# Altium PCB PCB4.PcbDoc (part 4 of 12) (continued)
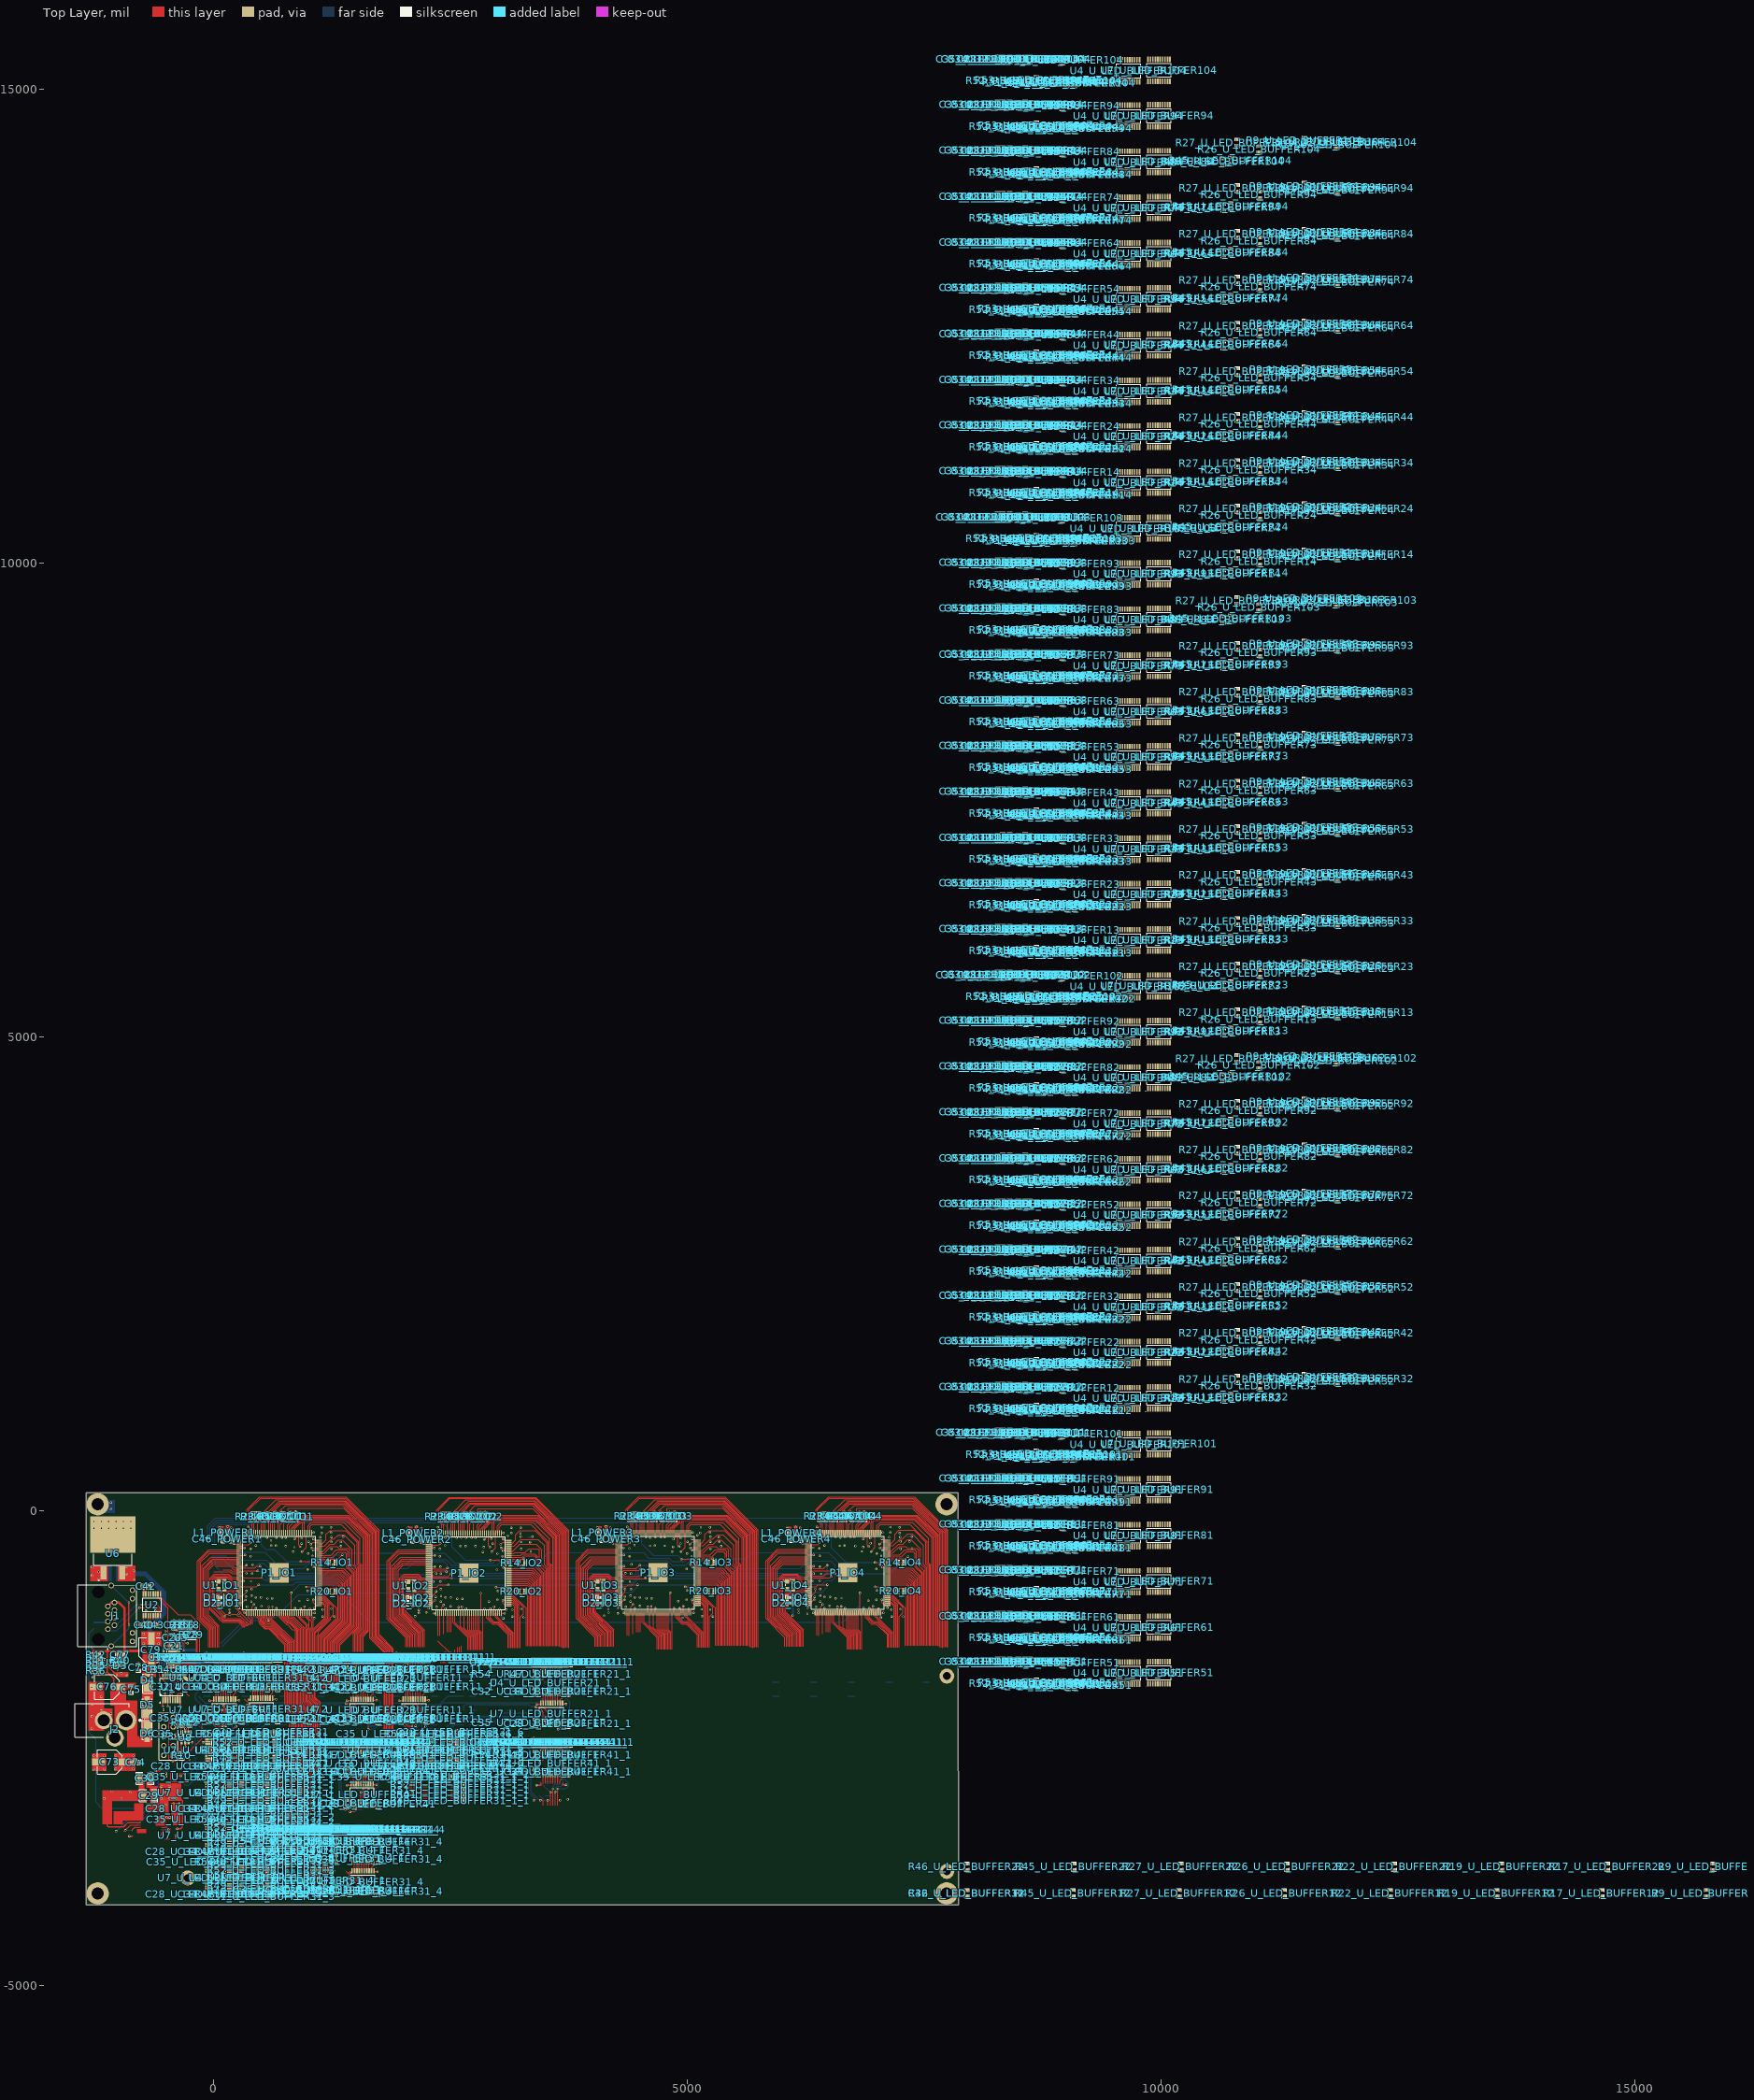
[diagram p0: Top Layer view]
## Components (designator, comment, footprint, x,y, rotation, side; value= is the part's Value field where it differs from the comment) (continued)
R50_U_LED_BUFFER31_3 "33R" 0603R 610,-3897.78 r180 top (schematic designator R50)
R50_U_LED_BUFFER31_4 "33R" 0603R 1607.78,-3360 r270 top (schematic designator R50)
R50_U_LED_BUFFER31_4_1 "33R" 0603R 1147.78,-3350 r270 top (schematic designator R50)
R50_U_LED_BUFFER31_4_2 "33R" 0603R 537.78,-1540 r270 top (schematic designator R50)
R50_U_LED_BUFFER31_6 "33R" 0603R 2610,-2547.78 r180 top (schematic designator R50)
R50_U_LED_BUFFER32 "33R" 0603R 8876.74,2044.31 r90 top (schematic designator R50)
R50_U_LED_BUFFER33 "33R" 0603R 8876.74,6875.01 r90 top (schematic designator R50)
R50_U_LED_BUFFER34 "33R" 0603R 8876.74,11705.71 r90 top (schematic designator R50)
R50_U_LED_BUFFER41 "33R" 0603R 1597.78,-2440 r270 top (schematic designator R50)
R50_U_LED_BUFFER41_1 "33R" 0603R 3597.78,-2440 r270 top (schematic designator R50)
R50_U_LED_BUFFER42 "33R" 0603R 8876.74,2528.56 r90 top (schematic designator R50)
R50_U_LED_BUFFER43 "33R" 0603R 8876.74,7359.26 r90 top (schematic designator R50)
R50_U_LED_BUFFER44 "33R" 0603R 8876.74,12189.96 r90 top (schematic designator R50)
R50_U_LED_BUFFER51 "33R" 0603R 8876.74,-1817.89 r90 top (schematic designator R50)
R50_U_LED_BUFFER52 "33R" 0603R 8876.74,3012.81 r90 top (schematic designator R50)
R50_U_LED_BUFFER53 "33R" 0603R 8876.74,7843.51 r90 top (schematic designator R50)
R50_U_LED_BUFFER54 "33R" 0603R 8876.74,12674.21 r90 top (schematic designator R50)
R50_U_LED_BUFFER61 "33R" 0603R 8876.74,-1337.57 r90 top (schematic designator R50)
R50_U_LED_BUFFER62 "33R" 0603R 8876.74,3493.12 r90 top (schematic designator R50)
R50_U_LED_BUFFER63 "33R" 0603R 8876.74,8323.82 r90 top (schematic designator R50)
R50_U_LED_BUFFER64 "33R" 0603R 8876.74,13154.52 r90 top (schematic designator R50)
R50_U_LED_BUFFER71 "33R" 0603R 8876.74,-853.32 r90 top (schematic designator R50)
R50_U_LED_BUFFER72 "33R" 0603R 8876.74,3977.38 r90 top (schematic designator R50)
R50_U_LED_BUFFER73 "33R" 0603R 8876.74,8808.07 r90 top (schematic designator R50)
R50_U_LED_BUFFER74 "33R" 0603R 8876.74,13638.77 r90 top (schematic designator R50)
R50_U_LED_BUFFER81 "33R" 0603R 8876.74,-369.07 r90 top (schematic designator R50)
R50_U_LED_BUFFER82 "33R" 0603R 8876.74,4461.63 r90 top (schematic designator R50)
R50_U_LED_BUFFER83 "33R" 0603R 8876.74,9292.32 r90 top (schematic designator R50)
R50_U_LED_BUFFER84 "33R" 0603R 8876.74,14123.02 r90 top (schematic designator R50)
R50_U_LED_BUFFER91 "33R" 0603R 8876.74,115.18 r90 top (schematic designator R50)
R50_U_LED_BUFFER92 "33R" 0603R 8876.74,4945.88 r90 top (schematic designator R50)
R50_U_LED_BUFFER93 "33R" 0603R 8876.74,9776.58 r90 top (schematic designator R50)
R50_U_LED_BUFFER94 "33R" 0603R 8876.74,14607.27 r90 top (schematic designator R50)
R50_U_LED_BUFFER101 "33R" 0603R 8876.74,595.49 r90 top (schematic designator R50)
R50_U_LED_BUFFER102 "33R" 0603R 8876.74,5426.19 r90 top (schematic designator R50)
R50_U_LED_BUFFER103 "33R" 0603R 8876.74,10256.89 r90 top (schematic designator R50)
R50_U_LED_BUFFER104 "33R" 0603R 8876.74,15087.59 r90 top (schematic designator R50)
R51_U_LED_BUFFER11 "33R" 0603R 92.22,-1540 r270 top (schematic designator R51)
R51_U_LED_BUFFER11_1 "33R" 0603R 2092.22,-1540 r270 top (schematic designator R51)
R51_U_LED_BUFFER12 "33R" 0603R 8766.74,1069.74 r90 top (schematic designator R51)
R51_U_LED_BUFFER13 "33R" 0603R 8766.74,5900.44 r90 top (schematic designator R51)
R51_U_LED_BUFFER14 "33R" 0603R 8766.74,10731.14 r90 top (schematic designator R51)
R51_U_LED_BUFFER21 "33R" 0603R 1542.22,-1550 r270 top (schematic designator R51)
R51_U_LED_BUFFER21_1 "33R" 0603R 3542.22,-1590 r270 top (schematic designator R51)
R51_U_LED_BUFFER22 "33R" 0603R 8766.74,1553.99 r90 top (schematic designator R51)
R51_U_LED_BUFFER23 "33R" 0603R 8766.74,6384.69 r90 top (schematic designator R51)
R51_U_LED_BUFFER24 "33R" 0603R 8766.74,11215.39 r90 top (schematic designator R51)
R51_U_LED_BUFFER31 "33R" 0603R 610,-2492.22 r180 top (schematic designator R51)
R51_U_LED_BUFFER31_1 "33R" 0603R 610,-2942.22 r180 top (schematic designator R51)
R51_U_LED_BUFFER31_1_1 "33R" 0603R 2610,-2942.22 r180 top (schematic designator R51)
R51_U_LED_BUFFER31_2 "33R" 0603R 610,-3392.22 r180 top (schematic designator R51)
R51_U_LED_BUFFER31_3 "33R" 0603R 610,-3842.22 r180 top (schematic designator R51)
R51_U_LED_BUFFER31_4 "33R" 0603R 1552.22,-3360 r270 top (schematic designator R51)
R51_U_LED_BUFFER31_4_1 "33R" 0603R 1092.22,-3350 r270 top (schematic designator R51)
R51_U_LED_BUFFER31_4_2 "33R" 0603R 482.22,-1540 r270 top (schematic designator R51)
R51_U_LED_BUFFER31_6 "33R" 0603R 2610,-2492.22 r180 top (schematic designator R51)
R51_U_LED_BUFFER32 "33R" 0603R 8766.74,2034.31 r90 top (schematic designator R51)
R51_U_LED_BUFFER33 "33R" 0603R 8766.74,6865.01 r90 top (schematic designator R51)
R51_U_LED_BUFFER34 "33R" 0603R 8766.74,11695.71 r90 top (schematic designator R51)
R51_U_LED_BUFFER41 "33R" 0603R 1542.22,-2440 r270 top (schematic designator R51)
R51_U_LED_BUFFER41_1 "33R" 0603R 3542.22,-2440 r270 top (schematic designator R51)
R51_U_LED_BUFFER42 "33R" 0603R 8766.74,2518.56 r90 top (schematic designator R51)
R51_U_LED_BUFFER43 "33R" 0603R 8766.74,7349.26 r90 top (schematic designator R51)
R51_U_LED_BUFFER44 "33R" 0603R 8766.74,12179.96 r90 top (schematic designator R51)
R51_U_LED_BUFFER51 "33R" 0603R 8766.74,-1827.89 r90 top (schematic designator R51)
R51_U_LED_BUFFER52 "33R" 0603R 8766.74,3002.81 r90 top (schematic designator R51)
R51_U_LED_BUFFER53 "33R" 0603R 8766.74,7833.51 r90 top (schematic designator R51)
R51_U_LED_BUFFER54 "33R" 0603R 8766.74,12664.21 r90 top (schematic designator R51)
R51_U_LED_BUFFER61 "33R" 0603R 8766.74,-1347.57 r90 top (schematic designator R51)
R51_U_LED_BUFFER62 "33R" 0603R 8766.74,3483.12 r90 top (schematic designator R51)
R51_U_LED_BUFFER63 "33R" 0603R 8766.74,8313.82 r90 top (schematic designator R51)
R51_U_LED_BUFFER64 "33R" 0603R 8766.74,13144.52 r90 top (schematic designator R51)
R51_U_LED_BUFFER71 "33R" 0603R 8766.74,-863.32 r90 top (schematic designator R51)
R51_U_LED_BUFFER72 "33R" 0603R 8766.74,3967.38 r90 top (schematic designator R51)
R51_U_LED_BUFFER73 "33R" 0603R 8766.74,8798.07 r90 top (schematic designator R51)
R51_U_LED_BUFFER74 "33R" 0603R 8766.74,13628.77 r90 top (schematic designator R51)
R51_U_LED_BUFFER81 "33R" 0603R 8766.74,-379.07 r90 top (schematic designator R51)
R51_U_LED_BUFFER82 "33R" 0603R 8766.74,4451.63 r90 top (schematic designator R51)
R51_U_LED_BUFFER83 "33R" 0603R 8766.74,9282.32 r90 top (schematic designator R51)
R51_U_LED_BUFFER84 "33R" 0603R 8766.74,14113.02 r90 top (schematic designator R51)
R51_U_LED_BUFFER91 "33R" 0603R 8766.74,105.18 r90 top (schematic designator R51)
R51_U_LED_BUFFER92 "33R" 0603R 8766.74,4935.88 r90 top (schematic designator R51)
R51_U_LED_BUFFER93 "33R" 0603R 8766.74,9766.58 r90 top (schematic designator R51)
R51_U_LED_BUFFER94 "33R" 0603R 8766.74,14597.27 r90 top (schematic designator R51)
R51_U_LED_BUFFER101 "33R" 0603R 8766.74,585.49 r90 top (schematic designator R51)
R51_U_LED_BUFFER102 "33R" 0603R 8766.74,5416.19 r90 top (schematic designator R51)
R51_U_LED_BUFFER103 "33R" 0603R 8766.74,10246.89 r90 top (schematic designator R51)
R51_U_LED_BUFFER104 "33R" 0603R 8766.74,15077.59 r90 top (schematic designator R51)
R52_U_LED_BUFFER11 "33R" 0603R 36.67,-1540 r270 top (schematic designator R52)
R52_U_LED_BUFFER11_1 "33R" 0603R 2036.67,-1540 r270 top (schematic designator R52)
R52_U_LED_BUFFER12 "33R" 0603R 8592.42,1082.57 r90 top (schematic designator R52)
R52_U_LED_BUFFER13 "33R" 0603R 8592.42,5913.27 r90 top (schematic designator R52)
R52_U_LED_BUFFER14 "33R" 0603R 8592.42,10743.96 r90 top (schematic designator R52)
R52_U_LED_BUFFER21 "33R" 0603R 1486.67,-1550 r270 top (schematic designator R52)
R52_U_LED_BUFFER21_1 "33R" 0603R 3486.67,-1590 r270 top (schematic designator R52)
R52_U_LED_BUFFER22 "33R" 0603R 8592.42,1566.82 r90 top (schematic designator R52)
R52_U_LED_BUFFER23 "33R" 0603R 8592.42,6397.52 r90 top (schematic designator R52)
R52_U_LED_BUFFER24 "33R" 0603R 8592.42,11228.22 r90 top (schematic designator R52)
R52_U_LED_BUFFER31 "33R" 0603R 610,-2436.67 r180 top (schematic designator R52)
R52_U_LED_BUFFER31_1 "33R" 0603R 610,-2886.67 r180 top (schematic designator R52)
R52_U_LED_BUFFER31_1_1 "33R" 0603R 2610,-2886.67 r180 top (schematic designator R52)
R52_U_LED_BUFFER31_2 "33R" 0603R 610,-3336.67 r180 top (schematic designator R52)
R52_U_LED_BUFFER31_3 "33R" 0603R 610,-3786.67 r180 top (schematic designator R52)
R52_U_LED_BUFFER31_4 "33R" 0603R 1496.67,-3360 r270 top (schematic designator R52)
R52_U_LED_BUFFER31_4_1 "33R" 0603R 1036.67,-3350 r270 top (schematic designator R52)
R52_U_LED_BUFFER31_4_2 "33R" 0603R 426.67,-1540 r270 top (schematic designator R52)
R52_U_LED_BUFFER31_6 "33R" 0603R 2610,-2436.67 r180 top (schematic designator R52)
R52_U_LED_BUFFER32 "33R" 0603R 8592.42,2047.13 r90 top (schematic designator R52)
R52_U_LED_BUFFER33 "33R" 0603R 8592.42,6877.83 r90 top (schematic designator R52)
R52_U_LED_BUFFER34 "33R" 0603R 8592.42,11708.53 r90 top (schematic designator R52)
R52_U_LED_BUFFER41 "33R" 0603R 1486.67,-2440 r270 top (schematic designator R52)
R52_U_LED_BUFFER41_1 "33R" 0603R 3486.67,-2440 r270 top (schematic designator R52)
R52_U_LED_BUFFER42 "33R" 0603R 8592.42,2531.38 r90 top (schematic designator R52)
R52_U_LED_BUFFER43 "33R" 0603R 8592.42,7362.08 r90 top (schematic designator R52)
R52_U_LED_BUFFER44 "33R" 0603R 8592.42,12192.78 r90 top (schematic designator R52)
R52_U_LED_BUFFER51 "33R" 0603R 8592.42,-1815.07 r90 top (schematic designator R52)
R52_U_LED_BUFFER52 "33R" 0603R 8592.42,3015.63 r90 top (schematic designator R52)
R52_U_LED_BUFFER53 "33R" 0603R 8592.42,7846.33 r90 top (schematic designator R52)
R52_U_LED_BUFFER54 "33R" 0603R 8592.42,12677.03 r90 top (schematic designator R52)
R52_U_LED_BUFFER61 "33R" 0603R 8592.42,-1334.75 r90 top (schematic designator R52)
R52_U_LED_BUFFER62 "33R" 0603R 8592.42,3495.95 r90 top (schematic designator R52)
R52_U_LED_BUFFER63 "33R" 0603R 8592.42,8326.65 r90 top (schematic designator R52)
R52_U_LED_BUFFER64 "33R" 0603R 8592.42,13157.35 r90 top (schematic designator R52)
R52_U_LED_BUFFER71 "33R" 0603R 8592.42,-850.5 r90 top (schematic designator R52)
R52_U_LED_BUFFER72 "33R" 0603R 8592.42,3980.2 r90 top (schematic designator R52)
R52_U_LED_BUFFER73 "33R" 0603R 8592.42,8810.9 r90 top (schematic designator R52)
R52_U_LED_BUFFER74 "33R" 0603R 8592.42,13641.6 r90 top (schematic designator R52)
R52_U_LED_BUFFER81 "33R" 0603R 8592.42,-366.25 r90 top (schematic designator R52)
R52_U_LED_BUFFER82 "33R" 0603R 8592.42,4464.45 r90 top (schematic designator R52)
R52_U_LED_BUFFER83 "33R" 0603R 8592.42,9295.15 r90 top (schematic designator R52)
R52_U_LED_BUFFER84 "33R" 0603R 8592.42,14125.85 r90 top (schematic designator R52)
R52_U_LED_BUFFER91 "33R" 0603R 8592.42,118 r90 top (schematic designator R52)
R52_U_LED_BUFFER92 "33R" 0603R 8592.42,4948.7 r90 top (schematic designator R52)
R52_U_LED_BUFFER93 "33R" 0603R 8592.42,9779.4 r90 top (schematic designator R52)
R52_U_LED_BUFFER94 "33R" 0603R 8592.42,14610.1 r90 top (schematic designator R52)
R52_U_LED_BUFFER101 "33R" 0603R 8592.42,598.32 r90 top (schematic designator R52)
R52_U_LED_BUFFER102 "33R" 0603R 8592.42,5429.01 r90 top (schematic designator R52)
R52_U_LED_BUFFER103 "33R" 0603R 8592.42,10259.71 r90 top (schematic designator R52)
R52_U_LED_BUFFER104 "33R" 0603R 8592.42,15090.41 r90 top (schematic designator R52)
R53_U_LED_BUFFER11 "33R" 0603R -18.89,-1540 r270 top (schematic designator R53)
R53_U_LED_BUFFER11_1 "33R" 0603R 1981.11,-1540 r270 top (schematic designator R53)
R53_U_LED_BUFFER12 "33R" 0603R 8686.74,1089.74 r90 top (schematic designator R53)
R53_U_LED_BUFFER13 "33R" 0603R 8686.74,5920.44 r90 top (schematic designator R53)
R53_U_LED_BUFFER14 "33R" 0603R 8686.74,10751.14 r90 top (schematic designator R53)
R53_U_LED_BUFFER21 "33R" 0603R 1431.11,-1550 r270 top (schematic designator R53)
R53_U_LED_BUFFER21_1 "33R" 0603R 3431.11,-1590 r270 top (schematic designator R53)
R53_U_LED_BUFFER22 "33R" 0603R 8686.74,1573.99 r90 top (schematic designator R53)
R53_U_LED_BUFFER23 "33R" 0603R 8686.74,6404.69 r90 top (schematic designator R53)
R53_U_LED_BUFFER24 "33R" 0603R 8686.74,11235.39 r90 top (schematic designator R53)
R53_U_LED_BUFFER31 "33R" 0603R 610,-2381.11 r180 top (schematic designator R53)
R53_U_LED_BUFFER31_1 "33R" 0603R 610,-2831.11 r180 top (schematic designator R53)
R53_U_LED_BUFFER31_1_1 "33R" 0603R 2610,-2831.11 r180 top (schematic designator R53)
R53_U_LED_BUFFER31_2 "33R" 0603R 610,-3281.11 r180 top (schematic designator R53)
R53_U_LED_BUFFER31_3 "33R" 0603R 610,-3731.11 r180 top (schematic designator R53)
R53_U_LED_BUFFER31_4 "33R" 0603R 1441.11,-3360 r270 top (schematic designator R53)
R53_U_LED_BUFFER31_4_1 "33R" 0603R 981.11,-3350 r270 top (schematic designator R53)
R53_U_LED_BUFFER31_4_2 "33R" 0603R 371.11,-1540 r270 top (schematic designator R53)
R53_U_LED_BUFFER31_6 "33R" 0603R 2610,-2381.11 r180 top (schematic designator R53)
R53_U_LED_BUFFER32 "33R" 0603R 8686.74,2054.31 r90 top (schematic designator R53)
R53_U_LED_BUFFER33 "33R" 0603R 8686.74,6885.01 r90 top (schematic designator R53)
R53_U_LED_BUFFER34 "33R" 0603R 8686.74,11715.71 r90 top (schematic designator R53)
R53_U_LED_BUFFER41 "33R" 0603R 1431.11,-2440 r270 top (schematic designator R53)
R53_U_LED_BUFFER41_1 "33R" 0603R 3431.11,-2440 r270 top (schematic designator R53)
R53_U_LED_BUFFER42 "33R" 0603R 8686.74,2538.56 r90 top (schematic designator R53)
R53_U_LED_BUFFER43 "33R" 0603R 8686.74,7369.26 r90 top (schematic designator R53)
R53_U_LED_BUFFER44 "33R" 0603R 8686.74,12199.96 r90 top (schematic designator R53)
R53_U_LED_BUFFER51 "33R" 0603R 8686.74,-1807.89 r90 top (schematic designator R53)
R53_U_LED_BUFFER52 "33R" 0603R 8686.74,3022.81 r90 top (schematic designator R53)
R53_U_LED_BUFFER53 "33R" 0603R 8686.74,7853.51 r90 top (schematic designator R53)
R53_U_LED_BUFFER54 "33R" 0603R 8686.74,12684.21 r90 top (schematic designator R53)
R53_U_LED_BUFFER61 "33R" 0603R 8686.74,-1327.57 r90 top (schematic designator R53)
R53_U_LED_BUFFER62 "33R" 0603R 8686.74,3503.12 r90 top (schematic designator R53)
R53_U_LED_BUFFER63 "33R" 0603R 8686.74,8333.82 r90 top (schematic designator R53)
R53_U_LED_BUFFER64 "33R" 0603R 8686.74,13164.52 r90 top (schematic designator R53)
R53_U_LED_BUFFER71 "33R" 0603R 8686.74,-843.32 r90 top (schematic designator R53)
R53_U_LED_BUFFER72 "33R" 0603R 8686.74,3987.38 r90 top (schematic designator R53)
R53_U_LED_BUFFER73 "33R" 0603R 8686.74,8818.07 r90 top (schematic designator R53)
R53_U_LED_BUFFER74 "33R" 0603R 8686.74,13648.77 r90 top (schematic designator R53)
R53_U_LED_BUFFER81 "33R" 0603R 8686.74,-359.07 r90 top (schematic designator R53)
R53_U_LED_BUFFER82 "33R" 0603R 8686.74,4471.63 r90 top (schematic designator R53)
R53_U_LED_BUFFER83 "33R" 0603R 8686.74,9302.32 r90 top (schematic designator R53)
R53_U_LED_BUFFER84 "33R" 0603R 8686.74,14133.02 r90 top (schematic designator R53)
R53_U_LED_BUFFER91 "33R" 0603R 8686.74,125.18 r90 top (schematic designator R53)
R53_U_LED_BUFFER92 "33R" 0603R 8686.74,4955.88 r90 top (schematic designator R53)
R53_U_LED_BUFFER93 "33R" 0603R 8686.74,9786.58 r90 top (schematic designator R53)
R53_U_LED_BUFFER94 "33R" 0603R 8686.74,14617.27 r90 top (schematic designator R53)
R53_U_LED_BUFFER101 "33R" 0603R 8686.74,605.49 r90 top (schematic designator R53)
R53_U_LED_BUFFER102 "33R" 0603R 8686.74,5436.19 r90 top (schematic designator R53)
R53_U_LED_BUFFER103 "33R" 0603R 8686.74,10266.89 r90 top (schematic designator R53)
R53_U_LED_BUFFER104 "33R" 0603R 8686.74,15097.59 r90 top (schematic designator R53)
R54_U_LED_BUFFER11 "33R" 0603R -48.36,-1670 r270 top (schematic designator R54)
R54_U_LED_BUFFER11_1 "33R" 0603R 1951.64,-1670 r270 top (schematic designator R54)
R54_U_LED_BUFFER12 "33R" 0603R 8956.74,1299.74 r90 top (schematic designator R54)
R54_U_LED_BUFFER13 "33R" 0603R 8956.74,6130.44 r90 top (schematic designator R54)
R54_U_LED_BUFFER14 "33R" 0603R 8956.74,10961.14 r90 top (schematic designator R54)
R54_U_LED_BUFFER21 "33R" 0603R 1401.64,-1680 r270 top (schematic designator R54)
R54_U_LED_BUFFER21_1 "33R" 0603R 3401.64,-1720 r270 top (schematic designator R54)
R54_U_LED_BUFFER22 "33R" 0603R 8956.74,1783.99 r90 top (schematic designator R54)
R54_U_LED_BUFFER23 "33R" 0603R 8956.74,6614.69 r90 top (schematic designator R54)
R54_U_LED_BUFFER24 "33R" 0603R 8956.74,11445.39 r90 top (schematic designator R54)
R54_U_LED_BUFFER31 "33R" 0603R 480,-2351.64 r180 top (schematic designator R54)
R54_U_LED_BUFFER31_1 "33R" 0603R 480,-2801.64 r180 top (schematic designator R54)
R54_U_LED_BUFFER31_1_1 "33R" 0603R 2480,-2801.64 r180 top (schematic designator R54)
R54_U_LED_BUFFER31_2 "33R" 0603R 480,-3251.64 r180 top (schematic designator R54)
R54_U_LED_BUFFER31_3 "33R" 0603R 480,-3701.64 r180 top (schematic designator R54)
R54_U_LED_BUFFER31_4 "33R" 0603R 1411.64,-3490 r270 top (schematic designator R54)
R54_U_LED_BUFFER31_4_1 "33R" 0603R 951.64,-3480 r270 top (schematic designator R54)
R54_U_LED_BUFFER31_4_2 "33R" 0603R 341.64,-1670 r270 top (schematic designator R54)
R54_U_LED_BUFFER31_6 "33R" 0603R 2480,-2351.64 r180 top (schematic designator R54)
R54_U_LED_BUFFER32 "33R" 0603R 8956.74,2264.31 r90 top (schematic designator R54)
R54_U_LED_BUFFER33 "33R" 0603R 8956.74,7095.01 r90 top (schematic designator R54)
R54_U_LED_BUFFER34 "33R" 0603R 8956.74,11925.71 r90 top (schematic designator R54)
R54_U_LED_BUFFER41 "33R" 0603R 1401.64,-2570 r270 top (schematic designator R54)
R54_U_LED_BUFFER41_1 "33R" 0603R 3401.64,-2570 r270 top (schematic designator R54)
R54_U_LED_BUFFER42 "33R" 0603R 8956.74,2748.56 r90 top (schematic designator R54)
R54_U_LED_BUFFER43 "33R" 0603R 8956.74,7579.26 r90 top (schematic designator R54)
R54_U_LED_BUFFER44 "33R" 0603R 8956.74,12409.96 r90 top (schematic designator R54)
R54_U_LED_BUFFER51 "33R" 0603R 8956.74,-1597.89 r90 top (schematic designator R54)
R54_U_LED_BUFFER52 "33R" 0603R 8956.74,3232.81 r90 top (schematic designator R54)
R54_U_LED_BUFFER53 "33R" 0603R 8956.74,8063.51 r90 top (schematic designator R54)
R54_U_LED_BUFFER54 "33R" 0603R 8956.74,12894.21 r90 top (schematic designator R54)
R54_U_LED_BUFFER61 "33R" 0603R 8956.74,-1117.58 r90 top (schematic designator R54)
R54_U_LED_BUFFER62 "33R" 0603R 8956.74,3713.12 r90 top (schematic designator R54)
R54_U_LED_BUFFER63 "33R" 0603R 8956.74,8543.82 r90 top (schematic designator R54)
R54_U_LED_BUFFER64 "33R" 0603R 8956.74,13374.52 r90 top (schematic designator R54)
R54_U_LED_BUFFER71 "33R" 0603R 8956.74,-633.32 r90 top (schematic designator R54)
R54_U_LED_BUFFER72 "33R" 0603R 8956.74,4197.38 r90 top (schematic designator R54)
R54_U_LED_BUFFER73 "33R" 0603R 8956.74,9028.07 r90 top (schematic designator R54)
R54_U_LED_BUFFER74 "33R" 0603R 8956.74,13858.77 r90 top (schematic designator R54)
R54_U_LED_BUFFER81 "33R" 0603R 8956.74,-149.07 r90 top (schematic designator R54)
R54_U_LED_BUFFER82 "33R" 0603R 8956.74,4681.63 r90 top (schematic designator R54)
R54_U_LED_BUFFER83 "33R" 0603R 8956.74,9512.32 r90 top (schematic designator R54)
R54_U_LED_BUFFER84 "33R" 0603R 8956.74,14343.02 r90 top (schematic designator R54)
R54_U_LED_BUFFER91 "33R" 0603R 8956.74,335.18 r90 top (schematic designator R54)
R54_U_LED_BUFFER92 "33R" 0603R 8956.74,5165.88 r90 top (schematic designator R54)
R54_U_LED_BUFFER93 "33R" 0603R 8956.74,9996.58 r90 top (schematic designator R54)
R54_U_LED_BUFFER94 "33R" 0603R 8956.74,14827.27 r90 top (schematic designator R54)
R54_U_LED_BUFFER101 "33R" 0603R 8956.74,815.49 r90 top (schematic designator R54)
R54_U_LED_BUFFER102 "33R" 0603R 8956.74,5646.19 r90 top (schematic designator R54)
R54_U_LED_BUFFER103 "33R" 0603R 8956.74,10476.89 r90 top (schematic designator R54)
R54_U_LED_BUFFER104 "33R" 0603R 8956.74,15307.59 r90 top (schematic designator R54)
U1_IO1 "OSC-25" ASE-25.000MHZ-LC-T 86.2,-782.3 r270 top value=25MHZ (schematic designator U1)
U1_IO2 "OSC-25" ASE-25.000MHZ-LC-T 2087.3,-784.9 r270 top value=25MHZ (schematic designator U1)
U1_IO3 "OSC-25" ASE-25.000MHZ-LC-T 4084.2,-781.45 r270 top value=25MHZ (schematic designator U1)
U1_IO4 "OSC-25" ASE-25.000MHZ-LC-T 6087.2,-781.3 r270 top value=25MHZ (schematic designator U1)
U2 "MAX3232CPWR" MAX3232CPWR -647.1,-987.2 r90 top
U3 "MP2333HGTL" MP2333HGTL-P -340.43,-1335.81 r90 top value=3.3V
U4_U_LED_BUFFER11 "NTS0308" NTS0308EPWJ 120,-1760 r270 top value=8-BIT (schematic designator U4)
U4_U_LED_BUFFER11_1 "NTS0308" NTS0308EPWJ 2120,-1760 r270 top value=8-BIT (schematic designator U4)
U4_U_LED_BUFFER12 "NTS0308" NTS0308EPWJ 9657.13,1188.08 r90 top value=8-BIT (schematic designator U4)
U4_U_LED_BUFFER13 "NTS0308" NTS0308EPWJ 9657.13,6018.78 r90 top value=8-BIT (schematic designator U4)
U4_U_LED_BUFFER14 "NTS0308" NTS0308EPWJ 9657.13,10849.48 r90 top value=8-BIT (schematic designator U4)
U4_U_LED_BUFFER21 "NTS0308" NTS0308EPWJ 1570,-1770 r270 top value=8-BIT (schematic designator U4)
U4_U_LED_BUFFER21_1 "NTS0308" NTS0308EPWJ 3570,-1810 r270 top value=8-BIT (schematic designator U4)
U4_U_LED_BUFFER22 "NTS0308" NTS0308EPWJ 9657.13,1672.33 r90 top value=8-BIT (schematic designator U4)
U4_U_LED_BUFFER23 "NTS0308" NTS0308EPWJ 9657.13,6503.03 r90 top value=8-BIT (schematic designator U4)
U4_U_LED_BUFFER24 "NTS0308" NTS0308EPWJ 9657.13,11333.73 r90 top value=8-BIT (schematic designator U4)
U4_U_LED_BUFFER31 "NTS0308" NTS0308EPWJ 390,-2520 r180 top value=8-BIT (schematic designator U4)
U4_U_LED_BUFFER31_1 "NTS0308" NTS0308EPWJ 390,-2970 r180 top value=8-BIT (schematic designator U4)
U4_U_LED_BUFFER31_2 "NTS0308" NTS0308EPWJ 390,-3420 r180 top value=8-BIT (schematic designator U4)
U4_U_LED_BUFFER31_3 "NTS0308" NTS0308EPWJ 390,-3870 r180 top value=8-BIT (schematic designator U4)
U4_U_LED_BUFFER31_4 "NTS0308" NTS0308EPWJ 1580,-3580 r270 top value=8-BIT (schematic designator U4)
U4_U_LED_BUFFER31_4_1 "NTS0308" NTS0308EPWJ 1120,-3570 r270 top value=8-BIT (schematic designator U4)
U4_U_LED_BUFFER31_4_2 "NTS0308" NTS0308EPWJ 510,-1760 r270 top value=8-BIT (schematic designator U4)
U4_U_LED_BUFFER31_6 "NTS0308" NTS0308EPWJ 2390,-2520 r180 top value=8-BIT (schematic designator U4)
U4_U_LED_BUFFER32 "NTS0308" NTS0308EPWJ 9657.13,2152.64 r90 top value=8-BIT (schematic designator U4)
U4_U_LED_BUFFER33 "NTS0308" NTS0308EPWJ 9657.13,6983.34 r90 top value=8-BIT (schematic designator U4)
U4_U_LED_BUFFER34 "NTS0308" NTS0308EPWJ 9657.13,11814.04 r90 top value=8-BIT (schematic designator U4)
U4_U_LED_BUFFER41 "NTS0308" NTS0308EPWJ 1570,-2660 r270 top value=8-BIT (schematic designator U4)
U4_U_LED_BUFFER41_1 "NTS0308" NTS0308EPWJ 3570,-2660 r270 top value=8-BIT (schematic designator U4)
U4_U_LED_BUFFER42 "NTS0308" NTS0308EPWJ 9657.13,2636.89 r90 top value=8-BIT (schematic designator U4)
U4_U_LED_BUFFER43 "NTS0308" NTS0308EPWJ 9657.13,7467.59 r90 top value=8-BIT (schematic designator U4)
U4_U_LED_BUFFER44 "NTS0308" NTS0308EPWJ 9657.13,12298.29 r90 top value=8-BIT (schematic designator U4)
U4_U_LED_BUFFER51 "NTS0308" NTS0308EPWJ 9657.13,-1709.55 r90 top value=8-BIT (schematic designator U4)
U4_U_LED_BUFFER52 "NTS0308" NTS0308EPWJ 9657.13,3121.15 r90 top value=8-BIT (schematic designator U4)
U4_U_LED_BUFFER53 "NTS0308" NTS0308EPWJ 9657.13,7951.84 r90 top value=8-BIT (schematic designator U4)
U4_U_LED_BUFFER54 "NTS0308" NTS0308EPWJ 9657.13,12782.54 r90 top value=8-BIT (schematic designator U4)
U4_U_LED_BUFFER61 "NTS0308" NTS0308EPWJ 9657.13,-1229.24 r90 top value=8-BIT (schematic designator U4)
U4_U_LED_BUFFER62 "NTS0308" NTS0308EPWJ 9657.13,3601.46 r90 top value=8-BIT (schematic designator U4)
U4_U_LED_BUFFER63 "NTS0308" NTS0308EPWJ 9657.13,8432.16 r90 top value=8-BIT (schematic designator U4)
U4_U_LED_BUFFER64 "NTS0308" NTS0308EPWJ 9657.13,13262.86 r90 top value=8-BIT (schematic designator U4)
U4_U_LED_BUFFER71 "NTS0308" NTS0308EPWJ 9657.13,-744.99 r90 top value=8-BIT (schematic designator U4)
U4_U_LED_BUFFER72 "NTS0308" NTS0308EPWJ 9657.13,4085.71 r90 top value=8-BIT (schematic designator U4)
U4_U_LED_BUFFER73 "NTS0308" NTS0308EPWJ 9657.13,8916.41 r90 top value=8-BIT (schematic designator U4)
U4_U_LED_BUFFER74 "NTS0308" NTS0308EPWJ 9657.13,13747.11 r90 top value=8-BIT (schematic designator U4)
U4_U_LED_BUFFER81 "NTS0308" NTS0308EPWJ 9657.13,-260.74 r90 top value=8-BIT (schematic designator U4)
U4_U_LED_BUFFER82 "NTS0308" NTS0308EPWJ 9657.13,4569.96 r90 top value=8-BIT (schematic designator U4)
U4_U_LED_BUFFER83 "NTS0308" NTS0308EPWJ 9657.13,9400.66 r90 top value=8-BIT (schematic designator U4)
U4_U_LED_BUFFER84 "NTS0308" NTS0308EPWJ 9657.13,14231.36 r90 top value=8-BIT (schematic designator U4)
U4_U_LED_BUFFER91 "NTS0308" NTS0308EPWJ 9657.13,223.51 r90 top value=8-BIT (schematic designator U4)
U4_U_LED_BUFFER92 "NTS0308" NTS0308EPWJ 9657.13,5054.21 r90 top value=8-BIT (schematic designator U4)
U4_U_LED_BUFFER93 "NTS0308" NTS0308EPWJ 9657.13,9884.91 r90 top value=8-BIT (schematic designator U4)
U4_U_LED_BUFFER94 "NTS0308" NTS0308EPWJ 9657.13,14715.61 r90 top value=8-BIT (schematic designator U4)
U4_U_LED_BUFFER101 "NTS0308" NTS0308EPWJ 9657.13,703.83 r90 top value=8-BIT (schematic designator U4)
U4_U_LED_BUFFER102 "NTS0308" NTS0308EPWJ 9657.13,5534.53 r90 top value=8-BIT (schematic designator U4)
U4_U_LED_BUFFER103 "NTS0308" NTS0308EPWJ 9657.13,10365.23 r90 top value=8-BIT (schematic designator U4)
U4_U_LED_BUFFER104 "NTS0308" NTS0308EPWJ 9657.13,15195.92 r90 top value=8-BIT (schematic designator U4)
U5 "TPS2121" TPS2121RUXT -1105.88,-1600.8 r270 top
U6 "LD1085D2T33R" LD1085D2T33R -1060,-245.47 r90 top value=3.3V
U7_U_LED_BUFFER11 "74LV244APWJ" 74LV244APWJ 120.05,-2099.69 r270 top (schematic designator U7)
U7_U_LED_BUFFER11_1 "74LV244APWJ" 74LV244APWJ 2120.05,-2099.69 r270 top (schematic designator U7)
U7_U_LED_BUFFER12 "74LV244APWJ" 74LV244APWJ 9978.36,1194.07 r90 top (schematic designator U7)
U7_U_LED_BUFFER13 "74LV244APWJ" 74LV244APWJ 9978.36,6024.77 r90 top (schematic designator U7)
U7_U_LED_BUFFER14 "74LV244APWJ" 74LV244APWJ 9978.36,10855.47 r90 top (schematic designator U7)
U7_U_LED_BUFFER21 "74LV244APWJ" 74LV244APWJ 1570,-2100 r270 top (schematic designator U7)
U7_U_LED_BUFFER21_1 "74LV244APWJ" 74LV244APWJ 3570,-2140 r270 top (schematic designator U7)
U7_U_LED_BUFFER22 "74LV244APWJ" 74LV244APWJ 9978.36,1678.32 r90 top (schematic designator U7)
U7_U_LED_BUFFER23 "74LV244APWJ" 74LV244APWJ 9978.36,6509.02 r90 top (schematic designator U7)
U7_U_LED_BUFFER24 "74LV244APWJ" 74LV244APWJ 9978.36,11339.72 r90 top (schematic designator U7)
U7_U_LED_BUFFER31 "74LV244APWJ" 74LV244APWJ 60,-2520 r180 top (schematic designator U7)
U7_U_LED_BUFFER31_1 "74LV244APWJ" 74LV244APWJ 60,-2970 r180 top (schematic designator U7)
U7_U_LED_BUFFER31_2 "74LV244APWJ" 74LV244APWJ 60,-3420 r180 top (schematic designator U7)
U7_U_LED_BUFFER31_3 "74LV244APWJ" 74LV244APWJ 60,-3870 r180 top (schematic designator U7)
U7_U_LED_BUFFER31_4 "74LV244APWJ" 74LV244APWJ 1580,-3910 r270 top (schematic designator U7)
U7_U_LED_BUFFER31_4_1 "74LV244APWJ" 74LV244APWJ 1120,-3900 r270 top (schematic designator U7)
U7_U_LED_BUFFER31_4_2 "74LV244APWJ" 74LV244APWJ 510,-2090 r270 top (schematic designator U7)
U7_U_LED_BUFFER31_6 "74LV244APWJ" 74LV244APWJ 2060,-2520 r180 top (schematic designator U7)
U7_U_LED_BUFFER32 "74LV244APWJ" 74LV244APWJ 9978.36,2158.64 r90 top (schematic designator U7)
U7_U_LED_BUFFER33 "74LV244APWJ" 74LV244APWJ 9978.36,6989.34 r90 top (schematic designator U7)
U7_U_LED_BUFFER34 "74LV244APWJ" 74LV244APWJ 9978.36,11820.04 r90 top (schematic designator U7)
U7_U_LED_BUFFER41 "74LV244APWJ" 74LV244APWJ 1570,-2990 r270 top (schematic designator U7)
U7_U_LED_BUFFER42 "74LV244APWJ" 74LV244APWJ 9978.36,2642.89 r90 top (schematic designator U7)
U7_U_LED_BUFFER43 "74LV244APWJ" 74LV244APWJ 9978.36,7473.59 r90 top (schematic designator U7)
U7_U_LED_BUFFER44 "74LV244APWJ" 74LV244APWJ 9978.36,12304.29 r90 top (schematic designator U7)
U7_U_LED_BUFFER51 "74LV244APWJ" 74LV244APWJ 9978.36,-1703.56 r90 top (schematic designator U7)
U7_U_LED_BUFFER52 "74LV244APWJ" 74LV244APWJ 9978.36,3127.14 r90 top (schematic designator U7)
U7_U_LED_BUFFER53 "74LV244APWJ" 74LV244APWJ 9978.36,7957.84 r90 top (schematic designator U7)
U7_U_LED_BUFFER54 "74LV244APWJ" 74LV244APWJ 9978.36,12788.54 r90 top (schematic designator U7)
U7_U_LED_BUFFER61 "74LV244APWJ" 74LV244APWJ 9978.36,-1223.24 r90 top (schematic designator U7)
U7_U_LED_BUFFER62 "74LV244APWJ" 74LV244APWJ 9978.36,3607.45 r90 top (schematic designator U7)
U7_U_LED_BUFFER63 "74LV244APWJ" 74LV244APWJ 9978.36,8438.15 r90 top (schematic designator U7)
U7_U_LED_BUFFER64 "74LV244APWJ" 74LV244APWJ 9978.36,13268.85 r90 top (schematic designator U7)
U7_U_LED_BUFFER71 "74LV244APWJ" 74LV244APWJ 9978.36,-738.99 r90 top (schematic designator U7)